# Altium PCB LimeSDR-Micro_mPCIe_1v3.PcbDoc (part 2 of 9) (continued)
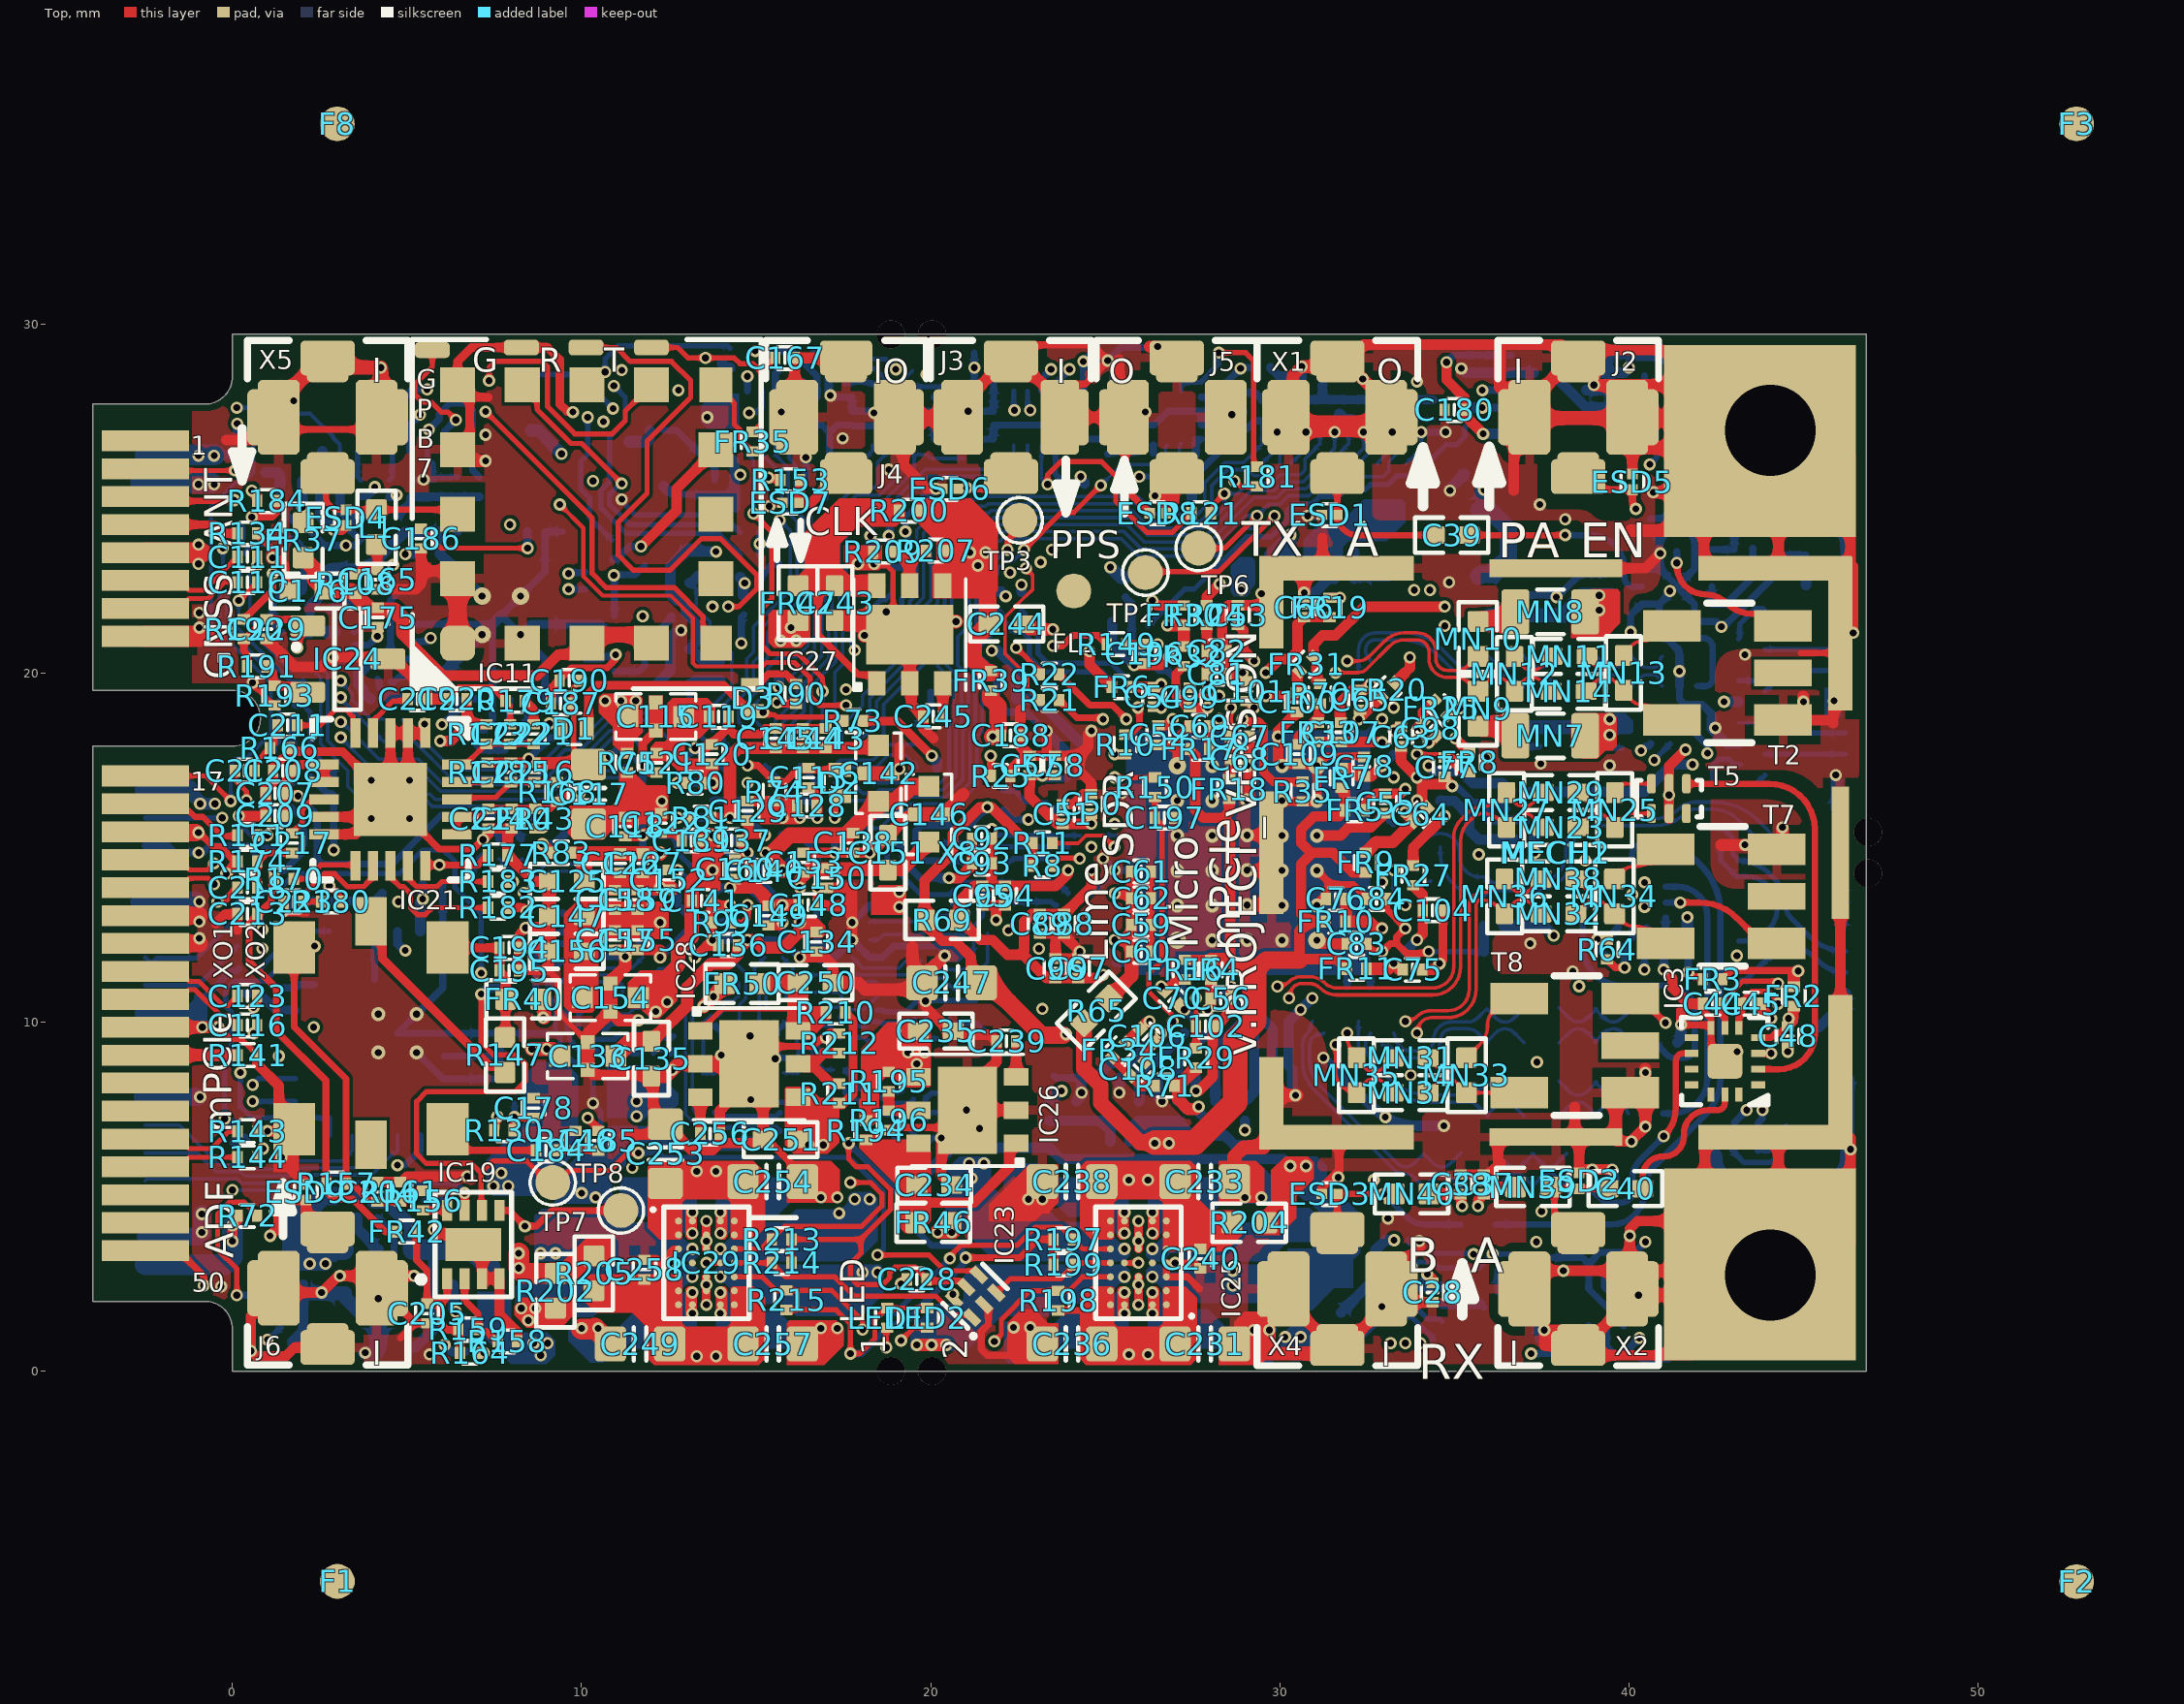
[diagram p0: Top view]
## Part data (continued)
IC16: library part ATECC508A_authentication_IC, Manufacturer=Microchip, Manufacturer Part Number 1=ATECC508A-MAHDA-S, Supplier Part Number 1=ATECC508A-MAHDA-SDKR-ND, Part Description="Authentication Chip IC Networking and Communications 8-UDFN (2x3)", Pricing 1="1=0.73, 25=0.7064 (USD)", Stock 1=27941, Supplier 1=Digi-Key
IC17: Frequency - Max=200MHz, Manufacturer="Texas Instruments", Manufacturer Part Number 1=LMK00101SQE/NOPB, Operating Temperature="-40°C ~ 85°C", Package / Case="32-WFQFN Exposed Pad", Supplier Device Package="32-WQFN (5x5)", Supplier Part Number 1=296-39036-1-ND, Voltage - Supply="2.375 V ~ 3.45 V", Category="Integrated Circuits (ICs)", Differential - Input:Output=Yes/No, Input="HCSL, LVCMOS, LVDS, LVPECL, LVTTL, SSTL, Crystal", Mounting Type="Surface Mount", Number of Circuits=1, Output="LVCMOS, LVTTL", Packaging="Cut Tape (CT)", Part Description="Clock Fanout Buffer (Distribution), Multiplexer, Translator IC 200MHz 32-WFQFN Exposed Pad", Ratio - Input:Output=3:10, RoHS="RoHS Compliant", Supplier 1=Digi-Key, Type="Fanout Buffer (Distribution), Multiplexer, Translator"
IC18 IC20 IC23: library part 74LVC1G3157FZ4_SPDT_SW, Manufacturer=Diodes, Manufacturer Part Number 1=74LVC1G3157FZ4-7, Max Operating Temperature=125°C, Min Operating Temperature=-40°C, On-State Resistance=10R, Supplier Part Number 1=74LVC1G3157FZ4-7DICT-ND, -3db Bandwidth=300MHz, ComponentLink1Description=https://www.diodes.com/assets/Datasheets/74LVC1G3157.pdf?src-supplier=Digi-Key, ComponentLink1URL=https://www.diodes.com/assets/Datasheets/74LVC1G3157.pdf?src-supplier=Digi-Key, ComponentLink2Description=https://www.diodes.com/assets/product-showcases/74LVC3157-NPA-0516.pdf?src-supplier=Digi-Key, ComponentLink2URL=https://www.diodes.com/assets/product-showcases/74LVC3157-NPA-0516.pdf?src-supplier=Digi-Key, Number of Circuits=1, Number of Pins=6, Packaging="Tape and Reel", Part Description="1 Circuit IC Switch 2:1 10Ohm X2-DFN1410-6", Pricing 1="1=0,42000, 10=0,31200, 25=0,27320, 100=0,17670, 250=0,14628, 500=0,11702, 1000=0,08972, 2500=0,07802 (USD)", RoHS=Yes, RoHS Compliant=Yes, Stock 1=158709, Supplier 1=Digi-Key
IC19: library part AD5693RACPZ-1RL7_DAC, Manufacturer="Analog Devices", Supplier Part Number 1=505-AD5693BCPZ-RL7CT-ND, ComponentLink1Description=http://www.mouser.com/ds/2/609/AD5693R_5692R_5691R_5693-534178.pdf?src-supplier=Mouser, ComponentLink1URL=http://www.mouser.com/ds/2/609/AD5693R_5692R_5691R_5693-534178.pdf?src-supplier=Mouser, ComponentLink2Description=https://www.analog.com/media/en/technical-documentation/data-sheets/AD5693R_5692R_5691R_5693.pdf?src-supplier=Digi-Key, ComponentLink2URL=https://www.analog.com/media/en/technical-documentation/data-sheets/AD5693R_5692R_5691R_5693.pdf?src-supplier=Digi-Key, ComponentLink3Description=http://www.analog.com/static/imported-files/data_sheets/AD5693R_5692R_5691R.pdf?src-supplier=Avnet, ComponentLink3URL=http://www.analog.com/static/imported-files/data_sheets/AD5693R_5692R_5691R.pdf?src-supplier=Avnet, ComponentLink4Description=http://www.analog.com/media/en/technical-documentation/data-sheets/AD5693R_5692R_5691R_5693.pdf?src-supplier=Digi-Key, ComponentLink4URL=http://www.analog.com/media/en/technical-documentation/data-sheets/AD5693R_5692R_5691R_5693.pdf?src-supplier=Digi-Key, ComponentLink5Description=https://www.analog.com/media/en/technical-documentation/data-sheets/AD5693R_5692R_5691R_5693.pdf?src-supplier=Digikey, ComponentLink5URL=https://www.analog.com/media/en/technical-documentation/data-sheets/AD5693R_5692R_5691R_5693.pdf?src-supplier=Digikey, ComponentLink6Description=http://www.analog.com/media/en/technical-documentation/data-sheets/AD5693R_5692R_5691R_5693.pdf?src-supplier=Digikey, ComponentLink6URL=http://www.analog.com/media/en/technical-documentation/data-sheets/AD5693R_5692R_5691R_5693.pdf?src-supplier=Digikey, ComponentLink7Description=http://www.analog.com/static/imported-files/data_sheets/AD5693R_5692R_5691R_5693.pdf?src-supplier=Avnet, ComponentLink7URL=http://www.analog.com/static/imported-files/data_sheets/AD5693R_5692R_5691R_5693.pdf?src-supplier=Avnet, ComponentLink8Description=http://www.farnell.com/datasheets/1863077.pdf?src-supplier=Element14, ComponentLink8URL=http://www.farnell.com/datasheets/1863077.pdf?src-supplier=Element14, ComponentLink9Description=https://datasheet.octopart.com/AD5693BCPZ-RL7-Analog-Devices-datasheet-79096046.pdf?src-supplier=Element14, ComponentLink9URL=https://datasheet.octopart.com/AD5693BCPZ-RL7-Analog-Devices-datasheet-79096046.pdf?src-supplier=Element14, Manufacturer Part Number 1=AD5693BCPZ-RL7, Part Description="16 Bit Digital to Analog Converter 1 8-LFCSP-UD (2x2)", Pricing 1="1=9,21, 10=6,366, 25=5,6328, 100=4,8123, 250=4,41452, 500=4,17228, 1000=3,97118 (USD)", RoHS=Yes, Stock 1=5532, Supplier 1=Digikey
IC21: Manufacturer="Analog Devices Inc", Manufacturer Part Number 1=ADF4002BCPZ-RL7, Operating Temperature="-40°C ~ 85°C", Package / Case="20-VFQFN Exposed Pad, CSP", Supplier Part Number 1=ADF4002BCPZ-RL7CT-ND, Voltage - Supply="2.7 V ~ 3.3 V", Category="Integrated Circuits (ICs)", Differential - Input:Output=Yes/No, Input="CMOS, TTL", Mounting Type="Surface Mount", Part Description="IC PLL FREQUENCY SYNTH 20-LFCSP", Ratio - Input:Output=2:1, Supplier=Digi-Key, Supplier 1=Digi-Key, Type="Clock/Frequency Synthesizer (RF), Phase Detector"
IC22 IC26 IC27 IC28: Current - Output=1A, Current - Supply="50µA ~ 300µA", Manufacturer=STMicroelectronics, Operating Temperature="-40°C ~ 125°C", Package / Case="6-VDFN Exposed Pad", Supplier Device Package="6-DFN (3x3)", Supplier Part Number 1=497-11013-1-ND, Voltage - Input (Max)=5.5V, Voltage - Output (Max)=4.6V, Voltage - Output (Min/Fixed)=0.8V, Voltage Dropout (Max)="0.4V @ 1A", Category="Integrated Circuits (ICs)", ComponentLink1Description=http://www.st.com/content/ccc/resource/technical/document/datasheet/72/02/e5/ee/df/36/40/5e/CD00233788.pdf/files/CD00233788.pdf/jcr:content/translations/en.CD00233788.pdf, ComponentLink1URL=http://www.st.com/content/ccc/resource/technical/document/datasheet/72/02/e5/ee/df/36/40/5e/CD00233788.pdf/files/CD00233788.pdf/jcr:content/translations/en.CD00233788.pdf, Control Features="Enable, Power Good", Manufacturer Part Number 1=LD39100PUR, Mounting Type="Surface Mount", Output Configuration=Positive, Output Type=Adjustable, Packaging="Cut Tape (CT)", Part Description="Linear Voltage Regulator IC Positive Adjustable Output 0.8 V ~ 4.5 V 1A 6-DFN (3x3)", Part Status=Active, Pricing 1="1=0.85, 10=0.76, 100=0.5923, 500=0.48926, 1000=0.38625 (USD)", Protection Features="Over Current, Over Temperature, Short Circuit", PSRR="70dB ~ 65dB (1kHz ~ 10kHz)", RoHS="RoHS Compliant", Stock 1=27970, Supplier 1=Digi-Key
IC24: library part VOLTAGE_REFERENCE_UNIVERSAL, Manufacturer=Diodes, Manufacturer Part Number 1=AS431ANTR-G1, Supplier Part Number 1=AS431ANTR-G1DICT-ND, ComponentLink1Description=https://datasheet.ciiva.com/1177/1643148-1177233.pdf?src-supplier=Avnet, ComponentLink1URL=https://datasheet.ciiva.com/1177/1643148-1177233.pdf?src-supplier=Avnet, ComponentLink2Description=https://datasheet.ciiva.com/30002/as431-30002029.pdf?src-supplier=Avnet, ComponentLink2URL=https://datasheet.ciiva.com/30002/as431-30002029.pdf?src-supplier=Avnet, ComponentLink3Description=https://datasheet.ciiva.com/29572/as431-29572149.pdf?src-supplier=Digi-Key, ComponentLink3URL=https://datasheet.ciiva.com/29572/as431-29572149.pdf?src-supplier=Digi-Key, ComponentLink4Description=https://datasheet.ciiva.com/29572/as431-29572150.pdf?src-supplier=Digi-Key, ComponentLink4URL=https://datasheet.ciiva.com/29572/as431-29572150.pdf?src-supplier=Digi-Key, ComponentLink5Description=https://datasheet.ciiva.com/8132/lm4040-8132551.pdf?src-supplier=Avnet, ComponentLink5URL=https://datasheet.ciiva.com/8132/lm4040-8132551.pdf?src-supplier=Avnet, ComponentLink6Description=https://datasheet.ciiva.com/29572/as431-29572149.pdf?src-supplier=Digikey, ComponentLink6URL=https://datasheet.ciiva.com/29572/as431-29572149.pdf?src-supplier=Digikey, ComponentLink7Description=https://datasheet.ciiva.com/29572/as431-29572150.pdf?src-supplier=Digikey, ComponentLink7URL=https://datasheet.ciiva.com/29572/as431-29572150.pdf?src-supplier=Digikey, Part Description="Shunt Voltage Reference IC Adjustable 2.5V 36 VV ±0.5% 100 mA SOT-23-3", Pricing 1="1=0,32, 10=0,196, 25=0,162, 100=0,1226, 250=0,10304, 500=0,09098, 1000=0,08085 (USD)", RoHS=Yes, Stock 1=655820, Supplier 1=Digikey
IC25 IC29: library part LP8758A1E0YFFR_QUAD_DC-DC, Manufacturer="Texas Instruments", Supplier Part Number 1=296-LP8758A2E3YFFRCT-ND, ComponentLink1Description=http://www.ti.com/general/docs/suppproductinfo.tsp?distId=10&amp;gotoUrl=http%3A%2F%2Fwww.ti.com%2Flit%2Fgpn%2Flp8758-e0&src-supplier=Digi-Key, ComponentLink1URL=http://www.ti.com/general/docs/suppproductinfo.tsp?distId=10&amp;gotoUrl=http%3A%2F%2Fwww.ti.com%2Flit%2Fgpn%2Flp8758-e0&src-supplier=Digi-Key, ComponentLink2Description=http://www.ti.com/lit/gpn/lp8758-e0?src-supplier=Mouser, ComponentLink2URL=http://www.ti.com/lit/gpn/lp8758-e0?src-supplier=Mouser, ComponentLink3Description=http://www.ti.com/lit/ds/symlink/lp8758-e0.pdf?src-supplier=Digi-Key, ComponentLink3URL=http://www.ti.com/lit/ds/symlink/lp8758-e0.pdf?src-supplier=Digi-Key, Manufacturer Part Number 1=LP8758A2E3YFFR, Pricing 1="1=5,83, 10=5,235, 25=4,9496, 100=4,2896, 250=4,0696, 500=3,65164, 1000=3,07969 (USD)", RoHS=Yes, Stock 1=5990, Supplier 1=Digi-Key
  IC25: Part Description="Buck Switching Regulator IC Positive Programmable 0.5V 4 Output 4A 35-UFBGA, DSBGA"
  IC29: Part Description="Switching Voltage Regulators Four-phase, four 4A output DC-DC step-down converters 35-DSBGA -40 to 85"
IC30: library part AP7330-W5-7_LDO, Manufacturer=Diodes, Manufacturer Part Number 1=AP7330-W5-7, Supplier Part Number 1=AP7330-W5-7DICT-ND, ComponentLink1Description=https://datasheet.octopart.com/AP7330-W5-7-Diodes-Inc.-datasheet-149521347.pdf?src-supplier=Farnell, ComponentLink1URL=https://datasheet.octopart.com/AP7330-W5-7-Diodes-Inc.-datasheet-149521347.pdf?src-supplier=Farnell, ComponentLink2Description=https://www.diodes.com/assets/Datasheets/AP7330.pdf?src-supplier=Digi-Key, ComponentLink2URL=https://www.diodes.com/assets/Datasheets/AP7330.pdf?src-supplier=Digi-Key, Part Description="Linear Voltage Regulator IC Positive Adjustable 1 Output 300mA SOT-25", Pricing 1="1=0,35, 10=0,286, 25=0,2616, 100=0,1946, 250=0,17632, 500=0,14592, 1000=0,10944 (USD)", RoHS=Yes, Stock 1=50531, Supplier 1=Digi-Key
J1: library part Molex_0788641001_spring_contacts, "Header, 6-pin", Manufacturer=Molex, Manufacturer Part Number 1=78864-1001, Supplier Part Number 1=WM11204CT-ND, Voltage Rating=10V, ComponentLink1Description=http://www.farnell.com/datasheets/2216617.pdf?src-supplier=Farnell, ComponentLink1URL=http://www.farnell.com/datasheets/2216617.pdf?src-supplier=Farnell, ComponentLink2Description=http://www.farnell.com/datasheets/2216617.pdf?src-supplier=Newark, ComponentLink2URL=http://www.farnell.com/datasheets/2216617.pdf?src-supplier=Newark, ComponentLink3Description=http://www.farnell.com/datasheets/1862322.pdf?src-supplier=Element14, ComponentLink3URL=http://www.farnell.com/datasheets/1862322.pdf?src-supplier=Element14, Contact Material="Copper Alloy", Glow Wire Compliant=Non-compliant, Halogen Free="Low Halogen", Number of Circuits=6, Number of Contacts=6, Orientation=Vertical, Part Description="6 Position Spring Battery Contact Connector Surface Mount", Pricing 1="1=0,45000, 10=0,36500, 100=0,26730, 1000=0,21263 (USD)", RoHS=Yes, Stock 1=133097, Supplier 1=Digi-Key, Voltage Rating (DC)=10V
J2 J3 J4 J5 J6 X1 X2 X4 X5: library part RF_IF_connector, "CONN UMC RCPT STR 50 OHM SMD", Dielectric Material="Liquid Crystal Polymer (LCP)", Frequency - Max=6GHz, Housing Color=Silver, Manufacturer="Molex, LLC", Manufacturer Part Number 1=0734120110, Operating Temperature="-40°C ~ 90°C", Supplier Part Number 1=WM5587CT-ND, Voltage Rating=60V, Body Finish=Nickel, Body Material="Phosphor Bronze", Cable Group=-, Category="Connectors, Interconnects", Center Contact Material=Brass, Center Contact Plating=Gold, Connector Style="Ultra Miniature Coaxial", Connector Type="Jack, Male Pin", Contact Termination=Solder, Fastening Type=Snap-On, Features=-, Impedance="50 Ohm", Ingress Protection=-, Mounting Type="Surface Mount", Packaging="Cut Tape (CT)", RoHS="RoHS Compliant", Shield Termination=Solder, Supplier 1=Digi-Key
  J2 J4 J5 X1 X2 X4 X5: Part Description="Ultra Miniature Coaxial Connector Receptacle, Male Pin 50 Ohm Surface Mount Solder"
  J3 J6: Part Description="CONN UMC RCPT STR 50 OHM SMD"
L1 MN39 MN40: library part Inductor_0603, DC Current Rating=420, DC Resistance Max=0.58, High Frequency Inductor Case="0402 [1005 Metric]", Inductance=47, Inductance Tolerance="± 5%", Inductor Construction=Wirewound, Manufacturer=COILCRAFT, Manufacturer Part Number=0402HP-47NXJLU, Self Resonant Frequency Min=2.4, Supplier Part Number 1=2285856, Inductor Case Style="0402 [1005 Metric]", Manufacturer Part Number 1=0402HP-47NXJLU, Packaging="Cut Tape", Part Description="INDUCTOR, RF, 47NH, 5%, 2.4GHZ, SMD; Product Range:0402HP Series; Inductance:47nH; Inductance Tolerance:± 5%; High Frequency Inductor Case:0402 [1005 Metric]; Self Resonant Frequency Min:2.4GHz; DC Resistance Max:0.58ohm; DC Current Rating:420mA", Product Range=0402, RoHS=Y-EX, Supplier 1=Farnell, SVHC="No SVHC (15-Jun-2015)"
L2 L3 L4 L5 L6 L7 L8 L9: library part Inductor, Case/Package=0806, Case Code (Metric)=2016, Current Rating=2.81A, DC Resistance (DCR)=41mR, Inductance=470nH, Inductance Tolerance=20%, Manufacturer=TDK, Manufacturer Part Number 1=VLS201610HBX-R47M-1, Max Operating Temperature=105°C, Min Operating Temperature=-40°C, Resistor Type=Wirewound, RMS Current (Irms)=3.3A, Saturation Current=3.5A, Supplier Part Number 1=445-172395-1-ND, Test Frequency=1MHz, Case Code (Imperial)=0806, ComponentLink1Description=http://www.farnell.com/datasheets/2130008.pdf?src-supplier=Farnell, ComponentLink1URL=http://www.farnell.com/datasheets/2130008.pdf?src-supplier=Farnell, ComponentLink2Description=http://www.farnell.com/datasheets/1866267.pdf?src-supplier=Element14, ComponentLink2URL=http://www.farnell.com/datasheets/1866267.pdf?src-supplier=Element14, ComponentLink3Description=http://www.farnell.com/datasheets/2130008.pdf?src-supplier=Element14, ComponentLink3URL=http://www.farnell.com/datasheets/2130008.pdf?src-supplier=Element14, ComponentLink4Description=https://product.tdk.com/info/en/catalog/datasheets/inductor_commercial_power_vls201610hbx-1_en.pdf?src-supplier=Digi-Key, ComponentLink4URL=https://product.tdk.com/info/en/catalog/datasheets/inductor_commercial_power_vls201610hbx-1_en.pdf?src-supplier=Digi-Key, ComponentLink5Description=https://product.tdk.com/info/en/catalog/datasheets/inductor_commercial_power_vls201610hbx-1_en.pdf?ref_disty=digikey&src-supplier=Digi-Key, ComponentLink5URL=https://product.tdk.com/info/en/catalog/datasheets/inductor_commercial_power_vls201610hbx-1_en.pdf?ref_disty=digikey&src-supplier=Digi-Key, Core Material=Metal, Height - Seated (Max)=0.039inch, Length=0.079inch, Mount="Surface Mount", Packaging="Cut Tape", Part Description="470 nH Shielded Drum Core, Wirewound Inductor 2.81 A 41mOhm Max 0806 (2016 Metric)", Pricing 1="1=0,35000, 10=0,31200, 25=0,27320, 50=0,23400, 100=0,21450, 250=0,19504, 500=0,18334, 1000=0,14043 (USD)", Reach SVHC Compliant="No SVHC", RoHS=Yes, RoHS Compliant=Yes, Shielding=Shielded, Stock 1=1817, Supplier 1=Digi-Key, Tolerance=20%, Width=0.063inch
LED1 LED2: Case/Package=SMD/SMT, Color=Green, Forward Voltage=1.97V, Lens Color=Colorless, Manufacturer=Kingbright, Manufacturer Part Number 1=APG0603CGC-TT, Supplier Part Number 1=754-2021-1-ND, Test Current=10mA, ComponentLink1Description=http://www.kingbrightusa.com/images/catalog/SPEC/APG0603CGC-TT.pdf?src-supplier=Digi-Key, ComponentLink1URL=http://www.kingbrightusa.com/images/catalog/SPEC/APG0603CGC-TT.pdf?src-supplier=Digi-Key, Dominant Wavelength=571nm, Height=0.25mm, Lead Free="Lead Free", Length=0.65mm, Lens Transparency=Clear, Luminous Intensity=15mcd, Mount="Surface Mount", Packaging="Tape and Reel", Part Description="Green 571nm LED Indication - Discrete 1.97V 2-SMD, 0201", Pricing 1="1=0,50000, 10=0,30500, 100=0,17530, 1000=0,13720, 2000=0,12577 (USD)", RoHS=Yes, RoHS Compliant=Yes, Stock 1=18826, Supplier 1=Digi-Key, Viewing Angle=140°, Width=0.35mm
MECH1: library part RFI_SHIELD_COVER_BMI-S-202-C, Color=Grey, Manufacturer=Laird, Package Quantity=1400, Supplier Part Number 1=903-1014-ND, ComponentLink1Description=https://www.leadertechinc.com/assets/files/EngineeringDrawings/SMS-206.PDF, ComponentLink1URL=https://www.leadertechinc.com/assets/files/EngineeringDrawings/SMS-206.PDF, ComponentLink2Description=http://www.farnell.com/datasheets/1965028.pdf?src-supplier=Farnell, ComponentLink2URL=http://www.farnell.com/datasheets/1965028.pdf?src-supplier=Farnell, ComponentLink3Description=http://www.mouser.com/ds/2/223/Laird_BMIS_201_210-201562.pdf?src-supplier=Mouser, ComponentLink3URL=http://www.mouser.com/ds/2/223/Laird_BMIS_201_210-201562.pdf?src-supplier=Mouser, ComponentLink4Description=http://www.farnell.com/datasheets/1965028.pdf?src-supplier=Newark, ComponentLink4URL=http://www.farnell.com/datasheets/1965028.pdf?src-supplier=Newark, ComponentLink5Description=http://www.farnell.com/datasheets/1965028.pdf?src-supplier=Element14, ComponentLink5URL=http://www.farnell.com/datasheets/1965028.pdf?src-supplier=Element14, ComponentLink6Description=http://assets.lairdtech.com/home/brandworld/files/Board%20Level%20Shields%20Catalog%20Download.pdf?src-supplier=Digi-Key, ComponentLink6URL=http://assets.lairdtech.com/home/brandworld/files/Board%20Level%20Shields%20Catalog%20Download.pdf?src-supplier=Digi-Key, ComponentLink7Description=http://assets.lairdtech.com/home/brandworld/files/Board%20Level%20Shields%20Catalog%20Download.pdf?src-supplier=Quest, ComponentLink7URL=http://assets.lairdtech.com/home/brandworld/files/Board%20Level%20Shields%20Catalog%20Download.pdf?src-supplier=Quest, Depth=3.6mm, Length=16.5mm, Manufacturer Part Number 1=BMI-S-202-C, Material=Aluminium, Packaging=Bulk, Part Description="RF Shield Cover 0.668\" (16.96mm) X 0.668\" (16.96mm) Vent Holes in Pattern Snap Fit", Pricing 1="1=1,68000, 10=1,51300, 25=1,42760, 100=1,21620, 250=1,14200, 500=0,99924, 1000=0,82795, 2500=0,77085, 5000=0,74230 (USD)", RoHS=Yes, Series="SMT 2 Piece", Stock 1=245970, Supplier 1=Digi-Key, Width=16.5mm
MECH2: library part RFI_SHIELD_FRAME_BMI-S-202-F, Color=Grey, Manufacturer=Laird, Package Quantity=700, Supplier Part Number 1=903-1051-1-ND, ComponentLink1Description=https://www.leadertechinc.com/assets/files/EngineeringDrawings/SMS-206.PDF, ComponentLink1URL=https://www.leadertechinc.com/assets/files/EngineeringDrawings/SMS-206.PDF, ComponentLink2Description=https://datasheet.ciiva.com/2799/bmi-s-202-2799404.pdf?src-supplier=Digi-Key, ComponentLink2URL=https://datasheet.ciiva.com/2799/bmi-s-202-2799404.pdf?src-supplier=Digi-Key, Depth=3.6mm, Length=16.5mm, Manufacturer Part Number 1=BMI-S-202-F, Material=Aluminium, Mount=Solder, Packaging="Tape and Reel", Part Description="RF Shield Frame 0.650\" (16.50mm) X 0.650\" (16.50mm) Surface Mount", Pricing 1="1=1,94000, 10=1,74100, 25=1,64280, 100=1,39970, 250=1,31428 (USD)", Reach SVHC Compliant=Unknown, RoHS=Yes, Stock 1=239502, Supplier 1=Digi-Key, Width=16.5mm
MN1 MN2 MN17 MN18 MN33 MN34: library part Inductor_0603, Case/Package=0402, Case Code (Metric)=1005, Current Rating=500mA, DC Resistance (DCR)=170mR, Inductance=10nH, Manufacturer=Murata, Manufacturer Part Number 1=LQW15AN10NJ00D, Max Operating Temperature=125°C, Min Operating Temperature=-55°C, Package Quantity=10000, Resistor Type=Wirewound, Self Resonant Frequency=5.5GHz, Supplier Part Number 1=490-1146-6-ND, Test Frequency=100MHz, Tolerance=5%, Case Code (Imperial)=0402, ComponentLink1Description=https://datasheet.ciiva.com/11799/0900766b8090d800-11799037.pdf?src-supplier=RSComponents, ComponentLink1URL=https://datasheet.ciiva.com/11799/0900766b8090d800-11799037.pdf?src-supplier=RSComponents, ComponentLink2Description=https://datasheet.ciiva.com/1042/l0075s0080lqw15a-00-1042162.pdf?src-supplier=Digi-Key, ComponentLink2URL=https://datasheet.ciiva.com/1042/l0075s0080lqw15a-00-1042162.pdf?src-supplier=Digi-Key, ComponentLink3Description=https://datasheet.ciiva.com/1042/l0075s0080lqw15a-00-1042163.pdf?src-supplier=Digi-Key, ComponentLink3URL=https://datasheet.ciiva.com/1042/l0075s0080lqw15a-00-1042163.pdf?src-supplier=Digi-Key, ComponentLink4Description=https://datasheet.ciiva.com/1042/l0075s0080lqw15a-00-1042164.pdf?src-supplier=Digi-Key, ComponentLink4URL=https://datasheet.ciiva.com/1042/l0075s0080lqw15a-00-1042164.pdf?src-supplier=Digi-Key, ComponentLink5Description=https://datasheet.ciiva.com/8508/l0075s0080lqw15a-00-8508743.pdf?src-supplier=Avnet, ComponentLink5URL=https://datasheet.ciiva.com/8508/l0075s0080lqw15a-00-8508743.pdf?src-supplier=Avnet, ComponentLink6Description=https://datasheet.ciiva.com/18089/getdatasheetpartid-110925-18089287.pdf?src-supplier=Verical, ComponentLink6URL=https://datasheet.ciiva.com/18089/getdatasheetpartid-110925-18089287.pdf?src-supplier=Verical, ComponentLink7Description=https://datasheet.ciiva.com/16210/l0075s0080lqw15a-00-16210412.pdf?src-supplier=Future+Electronics, ComponentLink7URL=https://datasheet.ciiva.com/16210/l0075s0080lqw15a-00-16210412.pdf?src-supplier=Future+Electronics, Core Material=Air,Ferrite, DC Current=500mA, Depth=0.7mm, Height=0.5mm, Lead Free="Lead Free", Length=1mm, Max DC Current=500mA, Military Standard=Not, Mount="Surface Mount", Packaging="Tape and Reel", Part Description="RF Inductors - SMD 10 NH 5%", Pricing 1="1=0,16000, 10=0,14200, 25=0,12600, 50=0,10720, 100=0,09450, 250=0,08664, 500=0,07876, 1000=0,06615, 2500=0,05670 (USD)", Q Factor=25, Radiation Hardening=No, Rated Current-Max=500mA, RoHS=Yes, RoHS Compliant=Yes, Series=LQW15A_00, Shielding=Unshielded, Stock 1=158333, Supplier 1=Digi-Key, Termination=SMD/SMT, Weight=2.8E-05oz, Width=0.02inch
MN3 MN6 MN23 MN24 MN29 MN30: library part Cap_0402, Capacitance=10pF, Case/Package=0402, Case Code (Metric)=1005, Dielectric=C0G, Manufacturer="Walsin Technologies", Manufacturer Part Number 1=0402N100D500CT, Max Operating Temperature=125°C, Min Operating Temperature=-55°C, Supplier Part Number 1=1292-0402N100D500CT-ND, Voltage Rating=50V, Applications="General Purpose", Case Code (Imperial)=0402, ComponentLink1Description=http://www.farnell.com/datasheets/2340522.pdf?src-supplier=Farnell, ComponentLink1URL=http://www.farnell.com/datasheets/2340522.pdf?src-supplier=Farnell, ComponentLink2Description=http://www.farnell.com/datasheets/1958513.pdf?src-supplier=Element14, ComponentLink2URL=http://www.farnell.com/datasheets/1958513.pdf?src-supplier=Element14, Packaging="Tape and Reel", Part Description="10 pF ±0.5pF 50V Ceramic Capacitor C0G, NP0 0402 (1005 Metric)", Pricing 1="1=0,10000, 10=0,01200, 50=0,00660, 100=0,00540, 500=0,00388, 1000=0,00306, 2500=0,00278, 5000=0,00256 (USD)", RoHS=Yes, RoHS Compliant=Yes, Stock 1=66767, Supplier 1=Digi-Key, Voltage Rating (DC)=50V
MN4 MN25 MN26: library part Cap_0402, Capacitance=0.50pF, Manufacturer=Yageo, Manufacturer Part Number 1=CC0402CRNPO9BNR50, Operating Temperature="-55°C ~ 125°C", Package / Case="0402 (1005 Metric)", Ratings=-, Supplier Part Number 1=311-1001-1-ND, Temperature Coefficient="C0G, NP0", Tolerance=±0.25pF, Voltage - Rated=50V, Applications="General Purpose", Category=Capacitors, Features=-, Height - Seated (Max)=-, Lead Spacing=-, Lead Style=-, Mounting Type="Surface Mount, MLCC", Packaging="Cut Tape (CT)", Part Description="0.50pF ±0.25pF 50V C0G, NP0 Ceramic Capacitor -55°C ~ 125°C Surface Mount, MLCC 0402 (1005 Metric) 0.039\" L x 0.020\" W (1.00mm x 0.50mm)", RoHS="RoHS Compliant", Size / Dimension="0.039\" L x 0.020\" W (1.00mm x 0.50mm)", Supplier 1=Digi-Key, Thickness (Max)="0.022\" (0.55mm)"
MN5: library part Cap_0402, Manufacturer="TDK Corporation", Manufacturer Part Number 1=C1005C0G1H010B050BA, Operating Temperature="-55°C ~ 125°C", Package / Case="0402 (1005 Metric)", Ratings=-, Supplier Part Number 1=445-4854-6-ND, Temperature Coefficient="C0G, NP0", Tolerance=±0.1pF, Voltage - Rated=50V, Applications="General Purpose", Capacitance=1pF, Category=Capacitors, Features=-, Height - Seated (Max)=-, Lead Spacing=-, Lead Style=-, Mounting Type="Surface Mount, MLCC", Packaging=Digi-Reel®, Part Description="1pF ±0.1pF 50V C0G, NP0 Ceramic Capacitor -55°C ~ 125°C Surface Mount, MLCC 0402 (1005 Metric) 0.039\" L x 0.020\" W (1.00mm x 0.50mm)", RoHS="RoHS Compliant", Size / Dimension="0.039\" L x 0.020\" W (1.00mm x 0.50mm)", Supplier 1=Digi-Key, Thickness (Max)="0.022\" (0.55mm)"
MN7 MN8: library part Inductor_0603, Current - Saturation=-, Current Rating=2mA, DC Resistance (DCR)="3.1 Ohm Max", Frequency - Self Resonant=7MHz, Frequency - Test=1MHz, Inductance=100µH, Manufacturer="TDK Corporation", Manufacturer Part Number 1=MLF2012C101KT000, Operating Temperature="-40°C ~ 85°C", Package / Case="0805 (2012 Metric)", Q @ Freq="25 @ 1MHz", Supplier Part Number 1=445-1071-1-ND, Tolerance=±10%, Category="Inductors, Coils, Chokes", Height - Seated (Max)="0.057\" (1.45mm)", Material - Core=Ferrite, Mounting Type="Surface Mount", Packaging="Cut Tape (CT)", Part Description="FIXED IND 100UH 2MA 3.1 OHM SMD", RoHS="RoHS Compliant", Shielding=Shielded, Size / Dimension="0.079\" L x 0.049\" W (2.00mm x 1.25mm)", Supplier 1=Digi-Key, Supplier Device Package="0805 (2012 Metric)", Type=Multilayer
MN9 MN10 R15 R65 R69 R147 R201 R202 R204 R205: library part Res_0402, Manufacturer=Yageo, Manufacturer Part Number 1=RC0402JR-070RL, Operating Temperature="-55°C ~ 155°C", Package / Case="0402 (1005 Metric)", Power (Watts)="0.063W, 1/16W", Resistance (Ohms)=0.0, Supplier Device Package=0402, Supplier Part Number 1=311-0.0JRTR-ND, Temperature Coefficient=-, Tolerance=Jumper, Category=Resistors, Composition="Thick Film", Features="Moisture Resistant", Height="0.016\" (0.40mm)", Number of Terminations=2, Packaging="Tape & Reel (TR)", Part Description="RES SMD 0.0OHM JUMPER 1/16W 0402", RoHS="RoHS Compliant", Size / Dimension="0.039\" L x 0.020\" W (1.00mm x 0.50mm)", Supplier 1=Digi-Key
MN11 MN14: library part Cap_0402, Capacitance="0.1 uF", Case Code - in=0402, Case Code - mm=1005, Case Height="0.5 mm", Case Length="1 mm", Dielectric=X7R, Manufacturer="Murata Electronics", Manufacturer Part Number=GRM155R71C104KA88D, Maximum Operating Temperature="+ 125 C", Minimum Operating Temperature="- 55 C", Operating Temperature Range="- 55 C to + 125 C", Package / Case="0402 (1005 metric)", Supplier Part Number 1=81-GRM155R71C104KA88, Temperature Coefficient / Code="+/- 15 %", Tolerance="10 %", Voltage Rating DC="16 V", Brand="Murata Electronics", Case Width="0.5 mm", Category="Multilayer Ceramic Capacitors MLCC - SMD/SMT", Manufacturer Part Number 1=GRM155R71C104KA88D, Minimum Order Quantity=1, Packaging=Reel, Part Description="0.10µF ±10% 16V X7R Ceramic Capacitor -55°C ~ 125°C Surface Mount, MLCC 0402 (1005 Metric) 0.039\" L x 0.020\" W (1.00mm x 0.50mm)", Product="General Type MLCCs", Product Category="Low & Medium Capacitance SMD Ceramic Chip Capacitors", Reeling=True, RoHS="RoHS Compliant", RoHS - Mouser=Y, Series=GRM, Standard Pack Qty=10000, Supplier 1=Mouser, Termination Style=SMD/SMT, Type="General Purpose MLCC"
MN12 MN19 MN20 MN27 MN28: library part Cap_0402, Capacitance=1pF, Manufacturer="TDK Corporation", Manufacturer Part Number 1=C1005C0G1H010B050BA, Operating Temperature="-55°C ~ 125°C", Package / Case="0402 (1005 Metric)", Ratings=-, Supplier Part Number 1=445-4854-6-ND, Temperature Coefficient="C0G, NP0", Tolerance=±0.1pF, Voltage - Rated=50V, Applications="General Purpose", Category=Capacitors, Features=-, Height - Seated (Max)=-, Lead Spacing=-, Lead Style=-, Mounting Type="Surface Mount, MLCC", Packaging=Digi-Reel®, Part Description="1pF ±0.1pF 50V C0G, NP0 Ceramic Capacitor -55°C ~ 125°C Surface Mount, MLCC 0402 (1005 Metric) 0.039\" L x 0.020\" W (1.00mm x 0.50mm)", RoHS="RoHS Compliant", Size / Dimension="0.039\" L x 0.020\" W (1.00mm x 0.50mm)", Supplier 1=Digi-Key, Thickness (Max)="0.022\" (0.55mm)"